# KiCad board PANEL_DRY_ELEC_6CH_THIN.kicad_pcb (continued)
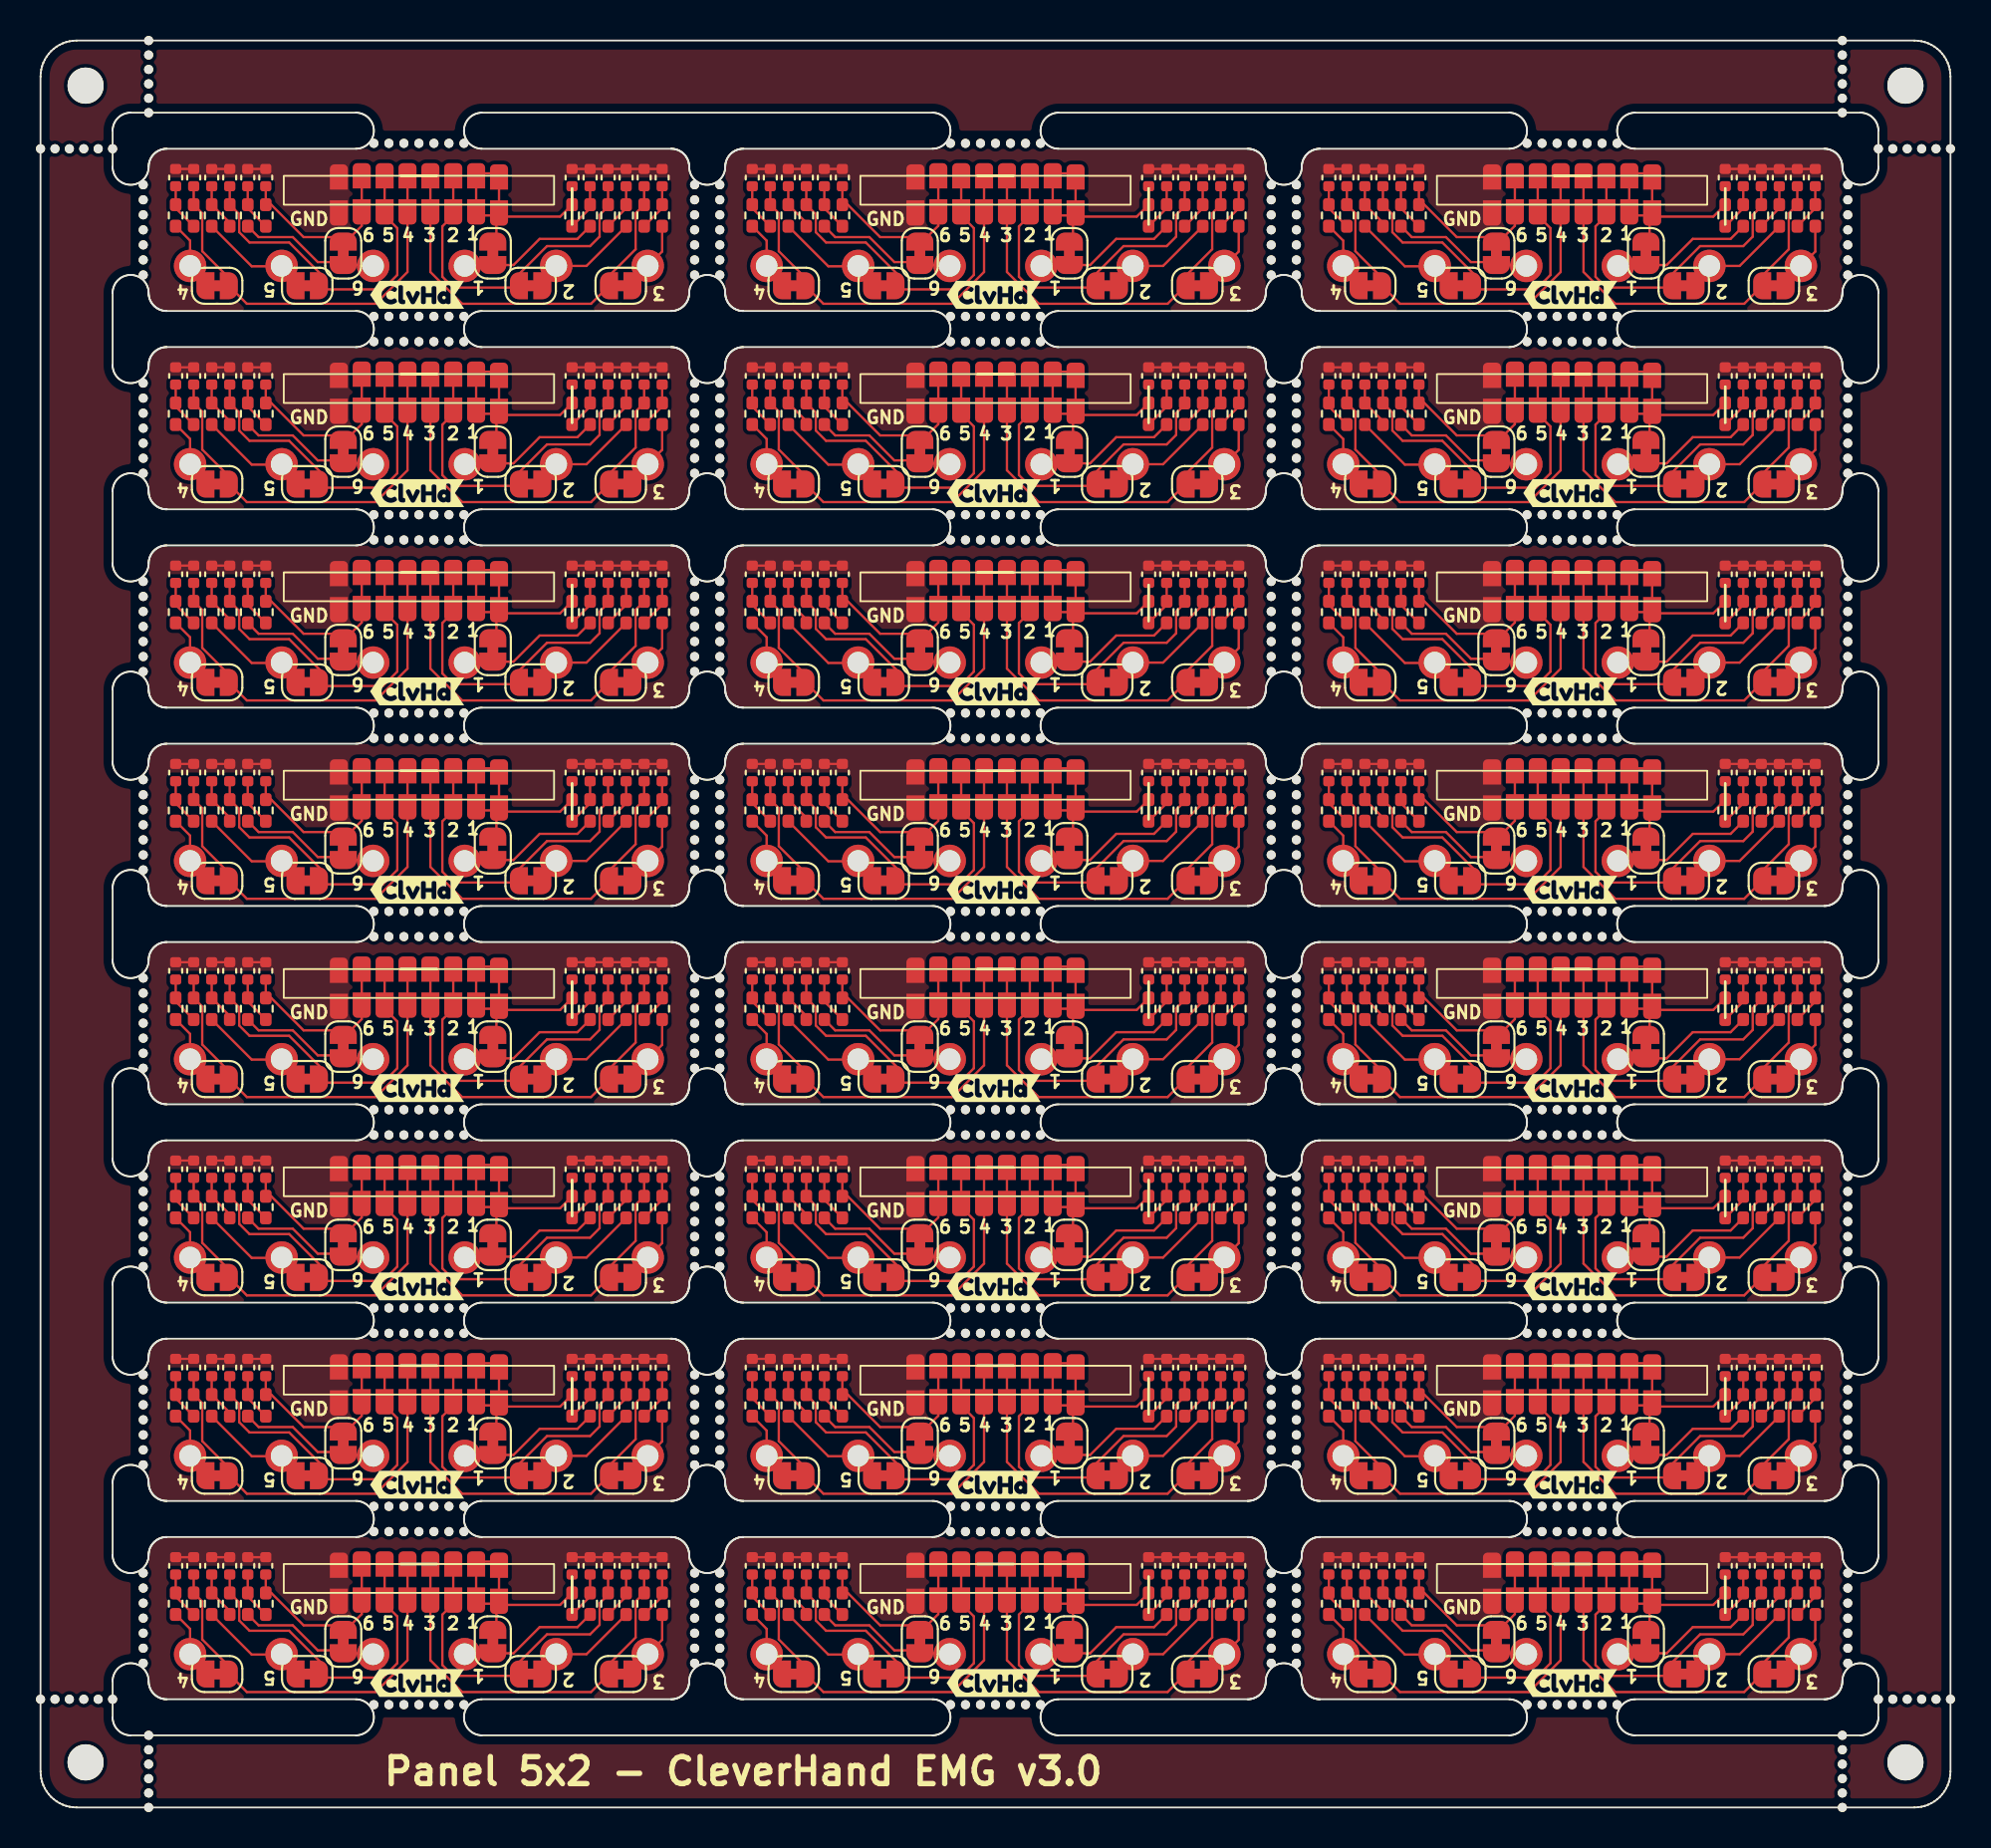
[diagram p0: board, top side]
## Routing (per net, layer and track width the routed paths; a pad name or vN(x,y) marks a point on that pad's centre or on a via; arc(x,y) is an arc through that point) (continued)
Board_11-Net-(C9-Pad1): length 2.6
  Top w0.127: R10#20.1 74.5,54.9 R9#13.2 C9.1
Board_11-Net-(C11-Pad1): length 2.6
  Top w0.127: C11#21.1 R11#3.2 75.5,55.7 R12#21.1
Board_12-/filtering_1/ELECTRODE: length 7.9
  Top w0.127: J17#16.1 23.59,41.55 26.25,41.55 27.7,43 29.8,43 R1#17.1
Board_12-/filtering_2/ELECTRODE: length 4.8
  Top w0.127: J18#23.1 30.3,41.5 R3#15.1
Board_12-/filtering_3/ELECTRODE: length 2.5
  Top w0.127: J19#3.1 34.5,42.3 R5#24.1
Board_12-/filtering_4/ELECTRODE: length 4.3
  Top w0.127: 9.65,40.4 9.4,40.4 J20#8.1 8.3,42.9 R7#12.1
Board_12-/filtering_5/ELECTRODE: length 6.4
  Top w0.127: 14.45,40.4 14.45,40.43 J21.1 13.38,41.48 11.72,41.48 9.5,43.7 R9#21.1
Board_12-/filtering_6/ELECTRODE: length 7.9
  Top w0.127: R11.1 12.1,43.1 14,43.1 15.39,41.71 16.54,41.71 16.7,41.55 18.41,41.55 J22#23.1
Board_12-/IN1: length 14.2
  Top w0.127: 25.3,42.85 25.3,44.09 J16.1 ; J16.1 25.38,44.3 J15#22.1 J7#3.1 24.24,46.63 J8#15.1 J16.1 ; J16.1 28.84,44.23 R2#12.2 C2#10.1
Board_12-/IN2: length 19.6
  Top w0.127: J6#19.1 J14#14.1 22.3,43.69 22.3,40.9 22.9,40.3 26.45,40.3 JP2#4.2 26.55,41.04 28.11,42.6 30.5,42.6 31.03,43.13 31.03,44.33 31.5,44.8 R4#13.2 C4#2.1
Board_12-/IN3: length 22.9
  Top w0.127: J5#9.1 J13#11.1 21.64,41.16 23.4,39.4 30.55,39.4 JP3#16.2 31.55,40.95 33.03,42.43 33.03,44.42 R6#22.2 C6#5.1
Board_12-/IN4: length 22.9
  Top w0.127: C8#11.1 R8#19.2 8.97,44.42 8.97,42.32 10.45,40.84 JP4#21.2 11.45,39.4 18.6,39.4 20.37,41.17 J12#7.1 J4#21.1
Board_12-/IN5: length 19.6
  Top w0.127: C10#7.1 R10#21.2 11.03,44.37 11.03,43.37 11.6,42.8 13.8,42.8 15.75,40.85 15.75,40.2 19,40.2 19.8,41 19.8,43.6 J11#12.1 J3#9.1
Board_12-/IN6: length 10.3
  Top w0.127: J2#24.1 J10#24.1 17.83,43.73 17.2,43.1 14.6,43.1 12.8,44.9 R12#20.2 C12#22.1
Board_12-GND: length 8
  Top w0.127: C7#22.2 C8#11.2 ; C9#20.2 C10#7.2 ; C11#14.2 C12#22.2 ; C2#10.2 C5#11.2
Board_12-Net-(C1-Pad1): length 2.6
  Top w0.127: R2#12.1 30.5,44.7 R1#17.2 C1#12.1
Board_12-Net-(C3-Pad1): length 2.6
  Top w0.127: C3#15.1 32.5,44.7 R4#13.1
Board_12-Net-(C5-Pad1): length 2.6
  Top w0.127: R6#22.1 34.5,44.7 R5#24.2 C5#11.1
Board_12-Net-(C7-Pad1): length 2.6
  Top w0.127: R8#19.1 7.5,44.7 R7#12.2 C7#22.1
Board_12-Net-(C9-Pad1): length 2.6
  Top w0.127: R10#21.1 10.5,43.9 R9#21.2 C9#20.1
Board_12-Net-(C11-Pad1): length 2.6
  Top w0.127: R12#20.1 11.5,44.7 R11.2 C11#14.1
Board_13-/filtering_1/ELECTRODE: length 7.9
  Top w0.127: R1#6.1 61.8,43 59.7,43 58.25,41.55 55.59,41.55 J17#20.1
Board_13-/filtering_2/ELECTRODE: length 4.8
  Top w0.127: R3#5.1 62.3,41.5 J18#20.1
Board_13-/filtering_3/ELECTRODE: length 2.5
  Top w0.127: J19#17.1 66.5,42.3 R5#11.1
Board_13-/filtering_4/ELECTRODE: length 4.3
  Top w0.127: R7#24.1 40.3,42.9 J20#24.1 41.4,40.4 41.65,40.4
Board_13-/filtering_5/ELECTRODE: length 6.4
  Top w0.127: 46.45,40.4 46.45,40.43 J21#7.1 45.38,41.48 43.72,41.48 41.5,43.7 R9#8.1
Board_13-/filtering_6/ELECTRODE: length 7.9
  Top w0.127: R11#17.1 44.1,43.1 46,43.1 47.39,41.71 48.54,41.71 48.7,41.55 50.41,41.55 J22#19.1
Board_13-/IN1: length 14.2
  Top w0.127: J16#12.1 57.3,44.09 57.3,42.85 ; J16#12.1 57.38,44.3 J15#4.1 J7#14.1 56.24,46.63 J8#9.1 J16#12.1 ; J16#12.1 60.84,44.23 R2#11.2 C2#11.1
Board_13-/IN2: length 19.6
  Top w0.127: C4#3.1 R4#16.2 63.5,44.8 63.03,44.33 63.03,43.13 62.5,42.6 60.11,42.6 58.55,41.04 JP2#23.2 58.45,40.3 54.9,40.3 54.3,40.9 54.3,43.69 J14#22.1 J6#11.1
Board_13-/IN3: length 22.9
  Top w0.127: J5#22.1 J13#23.1 53.64,41.16 55.4,39.4 62.55,39.4 JP3#15.2 63.55,40.95 65.03,42.43 65.03,44.42 R6#14.2 C6#13.1
Board_13-/IN4: length 22.9
  Top w0.127: J4#2.1 J12#11.1 52.37,41.17 50.6,39.4 43.45,39.4 JP4#19.2 42.45,40.84 40.97,42.32 40.97,44.42 R8#18.2 C8#18.1
Board_13-/IN5: length 19.6
  Top w0.127: J3#10.1 J11#9.1 51.8,43.6 51.8,41 51,40.2 47.75,40.2 47.75,40.85 45.8,42.8 43.6,42.8 43.03,43.37 43.03,44.37 R10.2 C10#14.1
Board_13-/IN6: length 10.3
  Top w0.127: J2#19.1 J10#14.1 49.83,43.73 49.2,43.1 46.6,43.1 44.8,44.9 R12#3.2 C12#9.1
Board_13-GND: length 8
  Top w0.127: C2#11.2 C5#13.2 ; C11#15.2 C12#9.2 ; C7#24.2 C8#18.2 ; C9#5.2 C10#14.2
Board_13-Net-(C1-Pad1): length 2.6
  Top w0.127: C1#23.1 R1#6.2 62.5,44.7 R2#11.1
Board_13-Net-(C3-Pad1): length 2.6
  Top w0.127: R4#16.1 64.5,44.7 C3#16.1
Board_13-Net-(C5-Pad1): length 2.6
  Top w0.127: R6#14.1 66.5,44.7 R5#11.2 C5#13.1
Board_13-Net-(C7-Pad1): length 2.6
  Top w0.127: R8#18.1 39.5,44.7 R7#24.2 C7#24.1
Board_13-Net-(C9-Pad1): length 2.6
  Top w0.127: C9#5.1 R9#8.2 42.5,43.9 R10.1
Board_13-Net-(C11-Pad1): length 2.6
  Top w0.127: R12#3.1 43.5,44.7 R11#17.2 C11#15.1
Board_14-/filtering_1/ELECTRODE: length 7.9
  Top w0.127: J17#12.1 87.59,41.55 90.25,41.55 91.7,43 93.8,43 R1#5.1
Board_14-/filtering_2/ELECTRODE: length 4.8
  Top w0.127: J18#15.1 94.3,41.5 R3#6.1
Board_14-/filtering_3/ELECTRODE: length 2.5
  Top w0.127: R5#12.1 98.5,42.3 J19#2.1
Board_14-/filtering_4/ELECTRODE: length 4.3
  Top w0.127: R7#7.1 72.3,42.9 J20#12.1 73.4,40.4 73.65,40.4
Board_14-/filtering_5/ELECTRODE: length 6.4
  Top w0.127: R9#2.1 73.5,43.7 75.72,41.48 77.38,41.48 J21#2.1 78.45,40.43 78.45,40.4
Board_14-/filtering_6/ELECTRODE: length 7.9
  Top w0.127: J22#18.1 82.41,41.55 80.7,41.55 80.54,41.71 79.39,41.71 78,43.1 76.1,43.1 R11#9.1
Board_14-/IN1: length 14.2
  Top w0.127: J16#19.1 J8#4.1 88.24,46.63 J7#12.1 J15#6.1 89.38,44.3 J16#19.1 ; J16#19.1 92.84,44.23 R2#8.2 C2#13.1 ; J16#19.1 89.3,44.09 89.3,42.85
Board_14-/IN2: length 19.6
  Top w0.127: J6#22.1 J14#18.1 86.3,43.69 86.3,40.9 86.9,40.3 90.45,40.3 JP2#13.2 90.55,41.04 92.11,42.6 94.5,42.6 95.03,43.13 95.03,44.33 95.5,44.8 R4#9.2 C4#21.1
Board_14-/IN3: length 22.9
  Top w0.127: J5#19.1 J13#4.1 85.64,41.16 87.4,39.4 94.55,39.4 JP3#12.2 95.55,40.95 97.03,42.43 97.03,44.42 R6#12.2 C6#21.1
Board_14-/IN4: length 22.9
  Top w0.127: J4#8.1 J12#2.1 84.37,41.17 82.6,39.4 75.45,39.4 JP4#8.2 74.45,40.84 72.97,42.32 72.97,44.42 R8#10.2 C8#15.1
Board_14-/IN5: length 19.6
  Top w0.127: J3#21.1 J11#24.1 83.8,43.6 83.8,41 83,40.2 79.75,40.2 79.75,40.85 77.8,42.8 75.6,42.8 75.03,43.37 75.03,44.37 R10#8.2 C10#23.1
Board_14-/IN6: length 10.3
  Top w0.127: C12#6.1 R12#14.2 76.8,44.9 78.6,43.1 81.2,43.1 81.83,43.73 J10#3.1 J2.1
Board_14-GND: length 8
  Top w0.127: C2#13.2 C5#15.2 ; C9#12.2 C10#23.2 ; C11#3.2 C12#6.2 ; C7#14.2 C8#15.2
Board_14-Net-(C1-Pad1): length 2.6
  Top w0.127: C1#11.1 R1#5.2 94.5,44.7 R2#8.1
Board_14-Net-(C3-Pad1): length 2.6
  Top w0.127: C3#17.1 96.5,44.7 R4#9.1
Board_14-Net-(C5-Pad1): length 2.6
  Top w0.127: R6#12.1 98.5,44.7 R5#12.2 C5#15.1
Board_14-Net-(C7-Pad1): length 2.6
  Top w0.127: R8#10.1 71.5,44.7 R7#7.2 C7#14.1
Board_14-Net-(C9-Pad1): length 2.6
  Top w0.127: C9#12.1 R9#2.2 74.5,43.9 R10#8.1
Board_14-Net-(C11-Pad1): length 2.6
  Top w0.127: R12#14.1 75.5,44.7 R11#9.2 C11#3.1
Board_15-/filtering_1/ELECTRODE: length 7.9
  Top w0.127: R1#4.1 29.8,32 27.7,32 26.25,30.55 23.59,30.55 J17.1
Board_15-/filtering_2/ELECTRODE: length 4.8
  Top w0.127: J18#16.1 30.3,30.5 R3#24.1
Board_15-/filtering_3/ELECTRODE: length 2.5
  Top w0.127: R5#7.1 34.5,31.3 J19#20.1
Board_15-/filtering_4/ELECTRODE: length 4.3
  Top w0.127: R7#11.1 8.3,31.9 J20#7.1 9.4,29.4 9.65,29.4
Board_15-/filtering_5/ELECTRODE: length 6.4
  Top w0.127: 14.45,29.4 14.45,29.43 J21#4.1 13.38,30.48 11.72,30.48 9.5,32.7 R9#15.1
Board_15-/filtering_6/ELECTRODE: length 7.9
  Top w0.127: R11#7.1 12.1,32.1 14,32.1 15.39,30.71 16.54,30.71 16.7,30.55 18.41,30.55 J22#4.1
Board_15-/IN1: length 14.2
  Top w0.127: J16#13.1 28.84,33.23 R2#5.2 C2#14.1 ; J16#13.1 J8#5.1 24.24,35.63 J7#16.1 J15#8.1 25.38,33.3 J16#13.1 ; J16#13.1 25.3,33.09 25.3,31.85
Board_15-/IN2: length 19.6
  Top w0.127: C4#9.1 R4#12.2 31.5,33.8 31.03,33.33 31.03,32.13 30.5,31.6 28.11,31.6 26.55,30.04 JP2#16.2 26.45,29.3 22.9,29.3 22.3,29.9 22.3,32.69 J14#7.1 J6#8.1
Board_15-/IN3: length 22.9
  Top w0.127: C6#3.1 R6#21.2 33.03,33.42 33.03,31.43 31.55,29.95 JP3#17.2 30.55,28.4 23.4,28.4 21.64,30.16 J13.1 J5#23.1
Board_15-/IN4: length 22.9
  Top w0.127: J4.1 J12#8.1 20.37,30.17 18.6,28.4 11.45,28.4 JP4#24.2 10.45,29.84 8.97,31.32 8.97,33.42 R8#16.2 C8#9.1
Board_15-/IN5: length 19.6
  Top w0.127: C10#22.1 R10#22.2 11.03,33.37 11.03,32.37 11.6,31.8 13.8,31.8 15.75,29.85 15.75,29.2 19,29.2 19.8,30 19.8,32.6 J11#20.1 J3#14.1
Board_15-/IN6: length 10.3
  Top w0.127: J2#7.1 J10#16.1 17.83,32.73 17.2,32.1 14.6,32.1 12.8,33.9 R12#24.2 C12#3.1
Board_15-GND: length 8
  Top w0.127: C7#7.2 C8#9.2 ; C9#18.2 C10#22.2 ; C11#8.2 C12#3.2 ; C2#14.2 C5#22.2
Board_15-Net-(C1-Pad1): length 2.6
  Top w0.127: C1#22.1 R1#4.2 30.5,33.7 R2#5.1
Board_15-Net-(C3-Pad1): length 2.6
  Top w0.127: R4#12.1 32.5,33.7 R3#24.2 C3#21.1
Board_15-Net-(C5-Pad1): length 2.6
  Top w0.127: R6#21.1 34.5,33.7 R5#7.2 C5#22.1
Board_15-Net-(C7-Pad1): length 2.6
  Top w0.127: C7#7.1 R7#11.2 7.5,33.7 R8#16.1
Board_15-Net-(C9-Pad1): length 2.6
  Top w0.127: R10#22.1 10.5,32.9 R9#15.2 C9#18.1
Board_15-Net-(C11-Pad1): length 2.6
  Top w0.127: C11#8.1 R11#7.2 11.5,33.7 R12#24.1
Board_16-/filtering_1/ELECTRODE: length 7.9
  Top w0.127: J17#23.1 55.59,30.55 58.25,30.55 59.7,32 61.8,32 R1#15.1
Board_16-/filtering_2/ELECTRODE: length 4.8
  Top w0.127: J18#11.1 62.3,30.5 R3#13.1
Board_16-/filtering_3/ELECTRODE: length 2.5
  Top w0.127: R5#16.1 66.5,31.3 J19#9.1
Board_16-/filtering_4/ELECTRODE: length 4.3
  Top w0.127: R7#15.1 40.3,31.9 J20#6.1 41.4,29.4 41.65,29.4
Board_16-/filtering_5/ELECTRODE: length 6.4
  Top w0.127: 46.45,29.4 46.45,29.43 J21#20.1 45.38,30.48 43.72,30.48 41.5,32.7 R9#22.1
Board_16-/filtering_6/ELECTRODE: length 7.9
  Top w0.127: J22#10.1 50.41,30.55 48.7,30.55 48.54,30.71 47.39,30.71 46,32.1 44.1,32.1 R11#21.1
Board_16-/IN1: length 14.2
  Top w0.127: J16#24.1 60.84,33.23 R2#10.2 C2#22.1 ; J16#24.1 57.38,33.3 J15#21.1 J7#19.1 56.24,35.63 J8#23.1 J16#24.1 ; J16#24.1 57.3,33.09 57.3,31.85
Board_16-/IN2: length 19.6
  Top w0.127: J6.1 J14#21.1 54.3,32.69 54.3,29.9 54.9,29.3 58.45,29.3 JP2#7.2 58.55,30.04 60.11,31.6 62.5,31.6 63.03,32.13 63.03,33.33 63.5,33.8 R4#22.2 C4#18.1
Board_16-/IN3: length 22.9
  Top w0.127: J5#13.1 J13#8.1 53.64,30.16 55.4,28.4 62.55,28.4 JP3#18.2 63.55,29.95 65.03,31.43 65.03,33.42 R6#18.2 C6.1
Board_16-/IN4: length 22.9
  Top w0.127: C8#3.1 R8#6.2 40.97,33.42 40.97,31.32 42.45,29.84 JP4#9.2 43.45,28.4 50.6,28.4 52.37,30.17 J12#19.1 J4#3.1
Board_16-/IN5: length 19.6
  Top w0.127: C10#11.1 R10#13.2 43.03,33.37 43.03,32.37 43.6,31.8 45.8,31.8 47.75,29.85 47.75,29.2 51,29.2 51.8,30 51.8,32.6 J11#18.1 J3#18.1
Board_16-/IN6: length 10.3
  Top w0.127: C12#19.1 R12#17.2 44.8,33.9 46.6,32.1 49.2,32.1 49.83,32.73 J10#22.1 J2#15.1
Board_16-GND: length 8
  Top w0.127: C7#10.2 C8#3.2 ; C11#5.2 C12#19.2 ; C2#22.2 C5#5.2 ; C9#7.2 C10#11.2
Board_16-Net-(C1-Pad1): length 2.6
  Top w0.127: C1#9.1 R1#15.2 62.5,33.7 R2#10.1
Board_16-Net-(C3-Pad1): length 2.6
  Top w0.127: C3#24.1 R3#13.2 64.5,33.7 R4#22.1
Board_16-Net-(C5-Pad1): length 2.6
  Top w0.127: C5#5.1 R5#16.2 66.5,33.7 R6#18.1
Board_16-Net-(C7-Pad1): length 2.6
  Top w0.127: C7#10.1 R7#15.2 39.5,33.7 R8#6.1
Board_16-Net-(C9-Pad1): length 2.6
  Top w0.127: R10#13.1 42.5,32.9 R9#22.2 C9#7.1
Board_16-Net-(C11-Pad1): length 2.6
  Top w0.127: R12#17.1 43.5,33.7 R11#21.2 C11#5.1
Board_17-/filtering_1/ELECTRODE: length 7.9
  Top w0.127: J17#24.1 87.59,30.55 90.25,30.55 91.7,32 93.8,32 R1#21.1
Board_17-/filtering_2/ELECTRODE: length 4.8
  Top w0.127: R3#7.1 94.3,30.5 J18#7.1
Board_17-/filtering_3/ELECTRODE: length 2.5
  Top w0.127: R5#20.1 98.5,31.3 J19.1
Board_17-/filtering_4/ELECTRODE: length 4.3
  Top w0.127: 73.65,29.4 73.4,29.4 J20#5.1 72.3,31.9 R7.1
Board_17-/filtering_5/ELECTRODE: length 6.4
  Top w0.127: R9#7.1 73.5,32.7 75.72,30.48 77.38,30.48 J21#9.1 78.45,29.43 78.45,29.4
Board_17-/filtering_6/ELECTRODE: length 7.9
  Top w0.127: J22#16.1 82.41,30.55 80.7,30.55 80.54,30.71 79.39,30.71 78,32.1 76.1,32.1 R11#4.1
Board_17-/IN1: length 14.2
  Top w0.127: 89.3,31.85 89.3,33.09 J16#21.1 ; J16#21.1 92.84,33.23 R2#19.2 C2#15.1 ; J16#21.1 J8#24.1 88.24,35.63 J7#20.1 J15#14.1 89.38,33.3 J16#21.1
Board_17-/IN2: length 19.6
  Top w0.127: C4#7.1 R4#10.2 95.5,33.8 95.03,33.33 95.03,32.13 94.5,31.6 92.11,31.6 90.55,30.04 JP2#19.2 90.45,29.3 86.9,29.3 86.3,29.9 86.3,32.69 J14.1 J6#23.1
Board_17-/IN3: length 22.9
  Top w0.127: J5#7.1 J13#14.1 85.64,30.16 87.4,28.4 94.55,28.4 JP3#8.2 95.55,29.95 97.03,31.43 97.03,33.42 R6#8.2 C6#18.1
Board_17-/IN4: length 22.9
  Top w0.127: J4#14.1 J12#24.1 84.37,30.17 82.6,28.4 75.45,28.4 JP4#10.2 74.45,29.84 72.97,31.32 72.97,33.42 R8#24.2 C8#12.1
Board_17-/IN5: length 19.6
  Top w0.127: C10#21.1 R10#2.2 75.03,33.37 75.03,32.37 75.6,31.8 77.8,31.8 79.75,29.85 79.75,29.2 83,29.2 83.8,30 83.8,32.6 J11#3.1 J3#24.1
Board_17-/IN6: length 10.3
  Top w0.127: J2#6.1 J10#20.1 81.83,32.73 81.2,32.1 78.6,32.1 76.8,33.9 R12#2.2 C12#15.1
Board_17-GND: length 8
  Top w0.127: C7.2 C8#12.2 ; C11.2 C12#15.2 ; C9#10.2 C10#21.2 ; C2#15.2 C5#2.2
Board_17-Net-(C1-Pad1): length 2.6
  Top w0.127: R2#19.1 94.5,33.7 R1#21.2 C1#17.1
Board_17-Net-(C3-Pad1): length 2.6
  Top w0.127: R4#10.1 96.5,33.7 R3#7.2 C3#23.1
Board_17-Net-(C5-Pad1): length 2.6
  Top w0.127: R6#8.1 98.5,33.7 R5#20.2 C5#2.1
Board_17-Net-(C7-Pad1): length 2.6
  Top w0.127: C7.1 R7.2 71.5,33.7 R8#24.1
Board_17-Net-(C9-Pad1): length 2.6
  Top w0.127: C9#10.1 R9#7.2 74.5,32.9 R10#2.1
Board_17-Net-(C11-Pad1): length 2.6
  Top w0.127: R12#2.1 75.5,33.7 R11#4.2 C11.1
Board_18-/filtering_1/ELECTRODE: length 7.9
  Top w0.127: J17#22.1 23.59,19.55 26.25,19.55 27.7,21 29.8,21 R1#23.1
Board_18-/filtering_2/ELECTRODE: length 4.8
  Top w0.127: J18#24.1 30.3,19.5 R3#3.1
Board_18-/filtering_3/ELECTRODE: length 2.5
  Top w0.127: R5#21.1 34.5,20.3 J19#24.1
Board_18-/filtering_4/ELECTRODE: length 4.3
  Top w0.127: R7#9.1 8.3,20.9 J20#15.1 9.4,18.4 9.65,18.4
Board_18-/filtering_5/ELECTRODE: length 6.4
  Top w0.127: 14.45,18.4 14.45,18.43 J21#13.1 13.38,19.48 11.72,19.48 9.5,21.7 R9#11.1
Board_18-/filtering_6/ELECTRODE: length 7.9
  Top w0.127: R11#2.1 12.1,21.1 14,21.1 15.39,19.71 16.54,19.71 16.7,19.55 18.41,19.55 J22#22.1
Board_18-/IN1: length 14.2
  Top w0.127: J16#5.1 J8#10.1 24.24,24.64 J7#15.1 J15#12.1 25.38,22.3 J16#5.1 ; J16#5.1 25.3,22.09 25.3,20.85 ; J16#5.1 28.84,22.23 R2#24.2 C2#8.1
Board_18-/IN2: length 19.6
  Top w0.127: C4#10.1 R4#21.2 31.5,22.8 31.03,22.33 31.03,21.13 30.5,20.6 28.11,20.6 26.55,19.04 JP2#17.2 26.45,18.3 22.9,18.3 22.3,18.9 22.3,21.69 J14#24.1 J6#4.1
Board_18-/IN3: length 22.9
  Top w0.127: C6#23.1 R6#13.2 33.03,22.42 33.03,20.43 31.55,18.95 JP3#5.2 30.55,17.4 23.4,17.4 21.64,19.16 J13#15.1 J5#21.1
Board_18-/IN4: length 22.9
  Top w0.127: J4#11.1 J12#18.1 20.37,19.17 18.6,17.4 11.45,17.4 JP4#16.2 10.45,18.84 8.97,20.32 8.97,22.42 R8#4.2 C8#5.1
Board_18-/IN5: length 19.6
  Top w0.127: J3#2.1 J11#13.1 19.8,21.6 19.8,19 19,18.2 15.75,18.2 15.75,18.85 13.8,20.8 11.6,20.8 11.03,21.37 11.03,22.37 R10#5.2 C10#19.1
Board_18-/IN6: length 10.3
  Top w0.127: C12#24.1 R12#9.2 12.8,22.9 14.6,21.1 17.2,21.1 17.83,21.73 J10#2.1 J2#14.1
Board_18-GND: length 8
  Top w0.127: C2#8.2 C5#10.2 ; C7#17.2 C8#5.2 ; C9#15.2 C10#19.2 ; C11#10.2 C12#24.2
Board_18-Net-(C1-Pad1): length 2.6
  Top w0.127: C1#21.1 R1#23.2 30.5,22.7 R2#24.1
Board_18-Net-(C3-Pad1): length 2.6
  Top w0.127: R4#21.1 32.5,22.7 R3#3.2 C3#12.1
Board_18-Net-(C5-Pad1): length 2.6
  Top w0.127: C5#10.1 R5#21.2 34.5,22.7 R6#13.1
Board_18-Net-(C7-Pad1): length 2.6
  Top w0.127: C7#17.1 R7#9.2 7.5,22.7 R8#4.1
Board_18-Net-(C9-Pad1): length 2.6
  Top w0.127: R10#5.1 10.5,21.9 R9#11.2 C9#15.1
Board_18-Net-(C11-Pad1): length 2.6
  Top w0.127: R12#9.1 11.5,22.7 R11#2.2 C11#10.1
Board_19-/filtering_1/ELECTRODE: length 7.9
  Top w0.127: R1#18.1 61.8,21 59.7,21 58.25,19.55 55.59,19.55 J17#9.1
Board_19-/filtering_2/ELECTRODE: length 4.8
  Top w0.127: J18#21.1 62.3,19.5 R3#8.1
Board_19-/filtering_3/ELECTRODE: length 2.5
  Top w0.127: J19#6.1 66.5,20.3 R5#19.1
Board_19-/filtering_4/ELECTRODE: length 4.3
  Top w0.127: 41.65,18.4 41.4,18.4 J20#22.1 40.3,20.9 R7#16.1
Board_19-/filtering_5/ELECTRODE: length 6.4
  Top w0.127: R9#5.1 41.5,21.7 43.72,19.48 45.38,19.48 J21#14.1 46.45,18.43 46.45,18.4
Board_19-/filtering_6/ELECTRODE: length 7.9
  Top w0.127: J22#6.1 50.41,19.55 48.7,19.55 48.54,19.71 47.39,19.71 46,21.1 44.1,21.1 R11#8.1
Board_19-/IN1: length 14.2
  Top w0.127: J16#11.1 60.84,22.23 R2#2.2 C2#17.1 ; J16#11.1 J8#3.1 56.24,24.64 J7#8.1 J15#13.1 57.38,22.3 J16#11.1 ; J16#11.1 57.3,22.09 57.3,20.85
Board_19-/IN2: length 19.6
  Top w0.127: C4#24.1 R4#18.2 63.5,22.8 63.03,22.33 63.03,21.13 62.5,20.6 60.11,20.6 58.55,19.04 JP2#8.2 58.45,18.3 54.9,18.3 54.3,18.9 54.3,21.69 J14#15.1 J6#3.1
Board_19-/IN3: length 22.9
  Top w0.127: C6#4.1 R6#9.2 65.03,22.42 65.03,20.43 63.55,18.95 JP3#19.2 62.55,17.4 55.4,17.4 53.64,19.16 J13#9.1 J5#4.1
Board_19-/IN4: length 22.9
  Top w0.127: J4#17.1 J12#6.1 52.37,19.17 50.6,17.4 43.45,17.4 JP4#4.2 42.45,18.84 40.97,20.32 40.97,22.42 R8#20.2 C8#22.1
Board_19-/IN5: length 19.6
  Top w0.127: C10#16.1 R10#23.2 43.03,22.37 43.03,21.37 43.6,20.8 45.8,20.8 47.75,18.85 47.75,18.2 51,18.2 51.8,19 51.8,21.6 J11#16.1 J3.1
Board_19-/IN6: length 10.3
  Top w0.127: J2#23.1 J10#11.1 49.83,21.73 49.2,21.1 46.6,21.1 44.8,22.9 R12#23.2 C12#20.1
Board_19-GND: length 8
  Top w0.127: C9#22.2 C10#16.2 ; C11#13.2 C12#20.2 ; C7#23.2 C8#22.2 ; C2#17.2 C5#16.2
Board_19-Net-(C1-Pad1): length 2.6
  Top w0.127: R2#2.1 62.5,22.7 R1#18.2 C1#13.1
Board_19-Net-(C3-Pad1): length 2.6
  Top w0.127: R4#18.1 64.5,22.7 R3#8.2 C3#6.1
Board_19-Net-(C5-Pad1): length 2.6
  Top w0.127: C5#16.1 R5#19.2 66.5,22.7 R6#9.1
Board_19-Net-(C7-Pad1): length 2.6
  Top w0.127: R8#20.1 39.5,22.7 R7#16.2 C7#23.1
Board_19-Net-(C9-Pad1): length 2.6
  Top w0.127: R10#23.1 42.5,21.9 R9#5.2 C9#22.1
Board_19-Net-(C11-Pad1): length 2.6
  Top w0.127: R12#23.1 43.5,22.7 R11#8.2 C11#13.1
Board_20-/filtering_1/ELECTRODE: length 7.9
  Top w0.127: J17#14.1 87.59,19.55 90.25,19.55 91.7,21 93.8,21 R1#14.1
Board_20-/filtering_2/ELECTRODE: length 4.8
  Top w0.127: R3#16.1 94.3,19.5 J18#2.1
Board_20-/filtering_3/ELECTRODE: length 2.5
  Top w0.127: J19#16.1 98.5,20.3 R5#14.1
Board_20-/filtering_4/ELECTRODE: length 4.3
  Top w0.127: 73.65,18.4 73.4,18.4 J20#20.1 72.3,20.9 R7#17.1
Board_20-/filtering_5/ELECTRODE: length 6.4
  Top w0.127: 78.45,18.4 78.45,18.43 J21#16.1 77.38,19.48 75.72,19.48 73.5,21.7 R9#14.1
Board_20-/filtering_6/ELECTRODE: length 7.9
  Top w0.127: R11#5.1 76.1,21.1 78,21.1 79.39,19.71 80.54,19.71 80.7,19.55 82.41,19.55 J22#12.1
Board_20-/IN1: length 14.2
  Top w0.127: J16#8.1 89.38,22.3 J15#3.1 J7#4.1 88.24,24.64 J8#12.1 J16#8.1 ; J16#8.1 92.84,22.23 R2#22.2 C2#20.1 ; J16#8.1 89.3,22.09 89.3,20.85
Board_20-/IN2: length 19.6
  Top w0.127: C4#16.1 R4#14.2 95.5,22.8 95.03,22.33 95.03,21.13 94.5,20.6 92.11,20.6 90.55,19.04 JP2#11.2 90.45,18.3 86.9,18.3 86.3,18.9 86.3,21.69 J14#9.1 J6#17.1
Board_20-/IN3: length 22.9
  Top w0.127: J5#8.1 J13#13.1 85.64,19.16 87.4,17.4 94.55,17.4 JP3#10.2 95.55,18.95 97.03,20.43 97.03,22.42 R6#19.2 C6#9.1
Board_20-/IN4: length 22.9
  Top w0.127: C8#10.1 R8#9.2 72.97,22.42 72.97,20.32 74.45,18.84 JP4#14.2 75.45,17.4 82.6,17.4 84.37,19.17 J12#4.1 J4#16.1
Board_20-/IN5: length 19.6
  Top w0.127: J3#12.1 J11#6.1 83.8,21.6 83.8,19 83,18.2 79.75,18.2 79.75,18.85 77.8,20.8 75.6,20.8 75.03,21.37 75.03,22.37 R10#15.2 C10#18.1
Board_20-/IN6: length 10.3
  Top w0.127: J2#20.1 J10.1 81.83,21.73 81.2,21.1 78.6,21.1 76.8,22.9 R12#22.2 C12#10.1
Board_20-GND: length 8
  Top w0.127: C2#20.2 C5#23.2 ; C11#4.2 C12#10.2 ; C7#19.2 C8#10.2 ; C9#24.2 C10#18.2
Board_20-Net-(C1-Pad1): length 2.6
  Top w0.127: R2#22.1 94.5,22.7 R1#14.2 C1#20.1
Board_20-Net-(C3-Pad1): length 2.6
  Top w0.127: R4#14.1 96.5,22.7 R3#16.2 C3#20.1
Board_20-Net-(C5-Pad1): length 2.6
  Top w0.127: R6#19.1 98.5,22.7 R5#14.2 C5#23.1
Board_20-Net-(C7-Pad1): length 2.6
  Top w0.127: C7#19.1 R7#17.2 71.5,22.7 R8#9.1
Board_20-Net-(C9-Pad1): length 2.6
  Top w0.127: C9#24.1 R9#14.2 74.5,21.9 R10#15.1
Board_20-Net-(C11-Pad1): length 2.6
  Top w0.127: C11#4.1 R11#5.2 75.5,22.7 R12#22.1
Board_21-/filtering_1/ELECTRODE: length 7.9
  Top w0.127: R1#2.1 29.8,10 27.7,10 26.25,8.55 23.59,8.55 J17#21.1
Board_21-/filtering_2/ELECTRODE: length 4.8
  Top w0.127: R3#23.1 30.3,8.5 J18.1
Board_21-/filtering_3/ELECTRODE: length 2.5
  Top w0.127: J19#5.1 34.5,9.3 R5#3.1
Board_21-/filtering_4/ELECTRODE: length 4.3
  Top w0.127: R7#19.1 8.3,9.9 J20#18.1 9.4,7.4 9.65,7.4
Board_21-/filtering_5/ELECTRODE: length 6.4
  Top w0.127: R9#23.1 9.5,10.7 11.72,8.48 13.38,8.48 J21#11.1 14.45,7.43 14.45,7.4
Board_21-/filtering_6/ELECTRODE: length 7.9
  Top w0.127: R11#23.1 12.1,10.1 14,10.1 15.39,8.71 16.54,8.71 16.7,8.55 18.41,8.55 J22#9.1
Board_21-/IN1: length 14.2
  Top w0.127: J16#15.1 25.3,11.09 25.3,9.85 ; J16#15.1 J8#8.1 24.24,13.64 J7#9.1 J15#17.1 25.38,11.3 J16#15.1 ; J16#15.1 28.84,11.23 R2#14.2 C2#4.1
Board_21-/IN2: length 19.6
  Top w0.127: C4#6.1 R4#17.2 31.5,11.8 31.03,11.33 31.03,10.13 30.5,9.6 28.11,9.6 26.55,8.04 JP2#9.2 26.45,7.3 22.9,7.3 22.3,7.9 22.3,10.69 J14#8.1 J6#15.1
Board_21-/IN3: length 22.9
  Top w0.127: C6#11.1 R6#11.2 33.03,11.42 33.03,9.43 31.55,7.95 JP3#9.2 30.55,6.4 23.4,6.4 21.64,8.16 J13#19.1 J5#15.1
Board_21-/IN4: length 22.9
  Top w0.127: J4#5.1 J12#15.1 20.37,8.17 18.6,6.4 11.45,6.4 JP4#15.2 10.45,7.84 8.97,9.32 8.97,11.42 R8#12.2 C8#14.1
Board_21-/IN5: length 19.6
  Top w0.127: J3#4.1 J11#22.1 19.8,10.6 19.8,8 19,7.2 15.75,7.2 15.75,7.85 13.8,9.8 11.6,9.8 11.03,10.37 11.03,11.37 R10#4.2 C10#5.1
Board_21-/IN6: length 10.3
  Top w0.127: C12#12.1 R12#18.2 12.8,11.9 14.6,10.1 17.2,10.1 17.83,10.73 J10#12.1 J2#5.1
Board_21-GND: length 8
  Top w0.127: C11#20.2 C12#12.2 ; C7#11.2 C8#14.2 ; C2#4.2 C5#24.2 ; C9#21.2 C10#5.2
Board_21-Net-(C1-Pad1): length 2.6
  Top w0.127: R2#14.1 30.5,11.7 R1#2.2 C1#10.1
Board_21-Net-(C3-Pad1): length 2.6
  Top w0.127: C3#18.1 R3#23.2 32.5,11.7 R4#17.1
Board_21-Net-(C5-Pad1): length 2.6
  Top w0.127: C5#24.1 R5#3.2 34.5,11.7 R6#11.1
Board_21-Net-(C7-Pad1): length 2.6
  Top w0.127: R8#12.1 7.5,11.7 R7#19.2 C7#11.1
Board_21-Net-(C9-Pad1): length 2.6
  Top w0.127: R10#4.1 10.5,10.9 R9#23.2 C9#21.1
Board_21-Net-(C11-Pad1): length 2.6
  Top w0.127: C11#20.1 R11#23.2 11.5,11.7 R12#18.1
Board_22-/filtering_1/ELECTRODE: length 7.9
  Top w0.127: J17#13.1 55.59,8.55 58.25,8.55 59.7,10 61.8,10 R1#19.1
Board_22-/filtering_2/ELECTRODE: length 4.8
  Top w0.127: R3#9.1 62.3,8.5 J18#5.1
Board_22-/filtering_3/ELECTRODE: length 2.5
  Top w0.127: R5#6.1 66.5,9.3 J19#8.1
Board_22-/filtering_4/ELECTRODE: length 4.3
  Top w0.127: R7#10.1 40.3,9.9 J20#17.1 41.4,7.4 41.65,7.4
Board_22-/filtering_5/ELECTRODE: length 6.4
  Top w0.127: R9#18.1 41.5,10.7 43.72,8.48 45.38,8.48 J21#12.1 46.45,7.43 46.45,7.4
Board_22-/filtering_6/ELECTRODE: length 7.9
  Top w0.127: J22#17.1 50.41,8.55 48.7,8.55 48.54,8.71 47.39,8.71 46,10.1 44.1,10.1 R11#6.1
Board_22-/IN1: length 14.2
  Top w0.127: J16#6.1 60.84,11.23 R2.2 C2#12.1 ; J16#6.1 57.3,11.09 57.3,9.85 ; J16#6.1 J8#21.1 56.24,13.64 J7#6.1 J15#7.1 57.38,11.3 J16#6.1
Board_22-/IN2: length 19.6
  Top w0.127: C4#15.1 R4#4.2 63.5,11.8 63.03,11.33 63.03,10.13 62.5,9.6 60.11,9.6 58.55,8.04 JP2#14.2 58.45,7.3 54.9,7.3 54.3,7.9 54.3,10.69 J14#16.1 J6#12.1
Board_22-/IN3: length 22.9
  Top w0.127: C6#12.1 R6#15.2 65.03,11.42 65.03,9.43 63.55,7.95 JP3#3.2 62.55,6.4 55.4,6.4 53.64,8.16 J13#20.1 J5.1
Board_22-/IN4: length 22.9
  Top w0.127: C8#6.1 R8#8.2 40.97,11.42 40.97,9.32 42.45,7.84 JP4#6.2 43.45,6.4 50.6,6.4 52.37,8.17 J12#20.1 J4#10.1
Board_22-/IN5: length 19.6
  Top w0.127: C10#9.1 R10#24.2 43.03,11.37 43.03,10.37 43.6,9.8 45.8,9.8 47.75,7.85 47.75,7.2 51,7.2 51.8,8 51.8,10.6 J11#5.1 J3#16.1
Board_22-/IN6: length 10.3
  Top w0.127: J2#8.1 J10#15.1 49.83,10.73 49.2,10.1 46.6,10.1 44.8,11.9 R12#12.2 C12#17.1
Board_22-GND: length 8
  Top w0.127: C2#12.2 C5#14.2 ; C11#2.2 C12#17.2 ; C9#13.2 C10#9.2 ; C7#12.2 C8#6.2
Board_22-Net-(C1-Pad1): length 2.6
  Top w0.127: C1#19.1 R1#19.2 62.5,11.7 R2.1
Board_22-Net-(C3-Pad1): length 2.6
  Top w0.127: R4#4.1 64.5,11.7 R3#9.2 C3#10.1
Board_22-Net-(C5-Pad1): length 2.6
  Top w0.127: R6#15.1 66.5,11.7 R5#6.2 C5#14.1
Board_22-Net-(C7-Pad1): length 2.6
  Top w0.127: C7#12.1 R7#10.2 39.5,11.7 R8#8.1
Board_22-Net-(C9-Pad1): length 2.6
  Top w0.127: C9#13.1 R9#18.2 42.5,10.9 R10#24.1
Board_22-Net-(C11-Pad1): length 2.6
  Top w0.127: R12#12.1 43.5,11.7 R11#6.2 C11#2.1
Board_23-/filtering_1/ELECTRODE: length 7.9
  Top w0.127: J17#8.1 87.59,8.55 90.25,8.55 91.7,10 93.8,10 R1#11.1
Board_23-/filtering_2/ELECTRODE: length 4.8
  Top w0.127: R3#14.1 94.3,8.5 J18#8.1
Board_23-/filtering_3/ELECTRODE: length 2.5
  Top w0.127: J19#13.1 98.5,9.3 R5.1
Board_23-/filtering_4/ELECTRODE: length 4.3
  Top w0.127: R7#5.1 72.3,9.9 J20#21.1 73.4,7.4 73.65,7.4
Board_23-/filtering_5/ELECTRODE: length 6.4
  Top w0.127: R9#19.1 73.5,10.7 75.72,8.48 77.38,8.48 J21#8.1 78.45,7.43 78.45,7.4
Board_23-/filtering_6/ELECTRODE: length 7.9
  Top w0.127: R11#13.1 76.1,10.1 78,10.1 79.39,8.71 80.54,8.71 80.7,8.55 82.41,8.55 J22#15.1
